# Altium PCB CarrierMotherboard.PcbDoc (part 1 of 6) (continued)
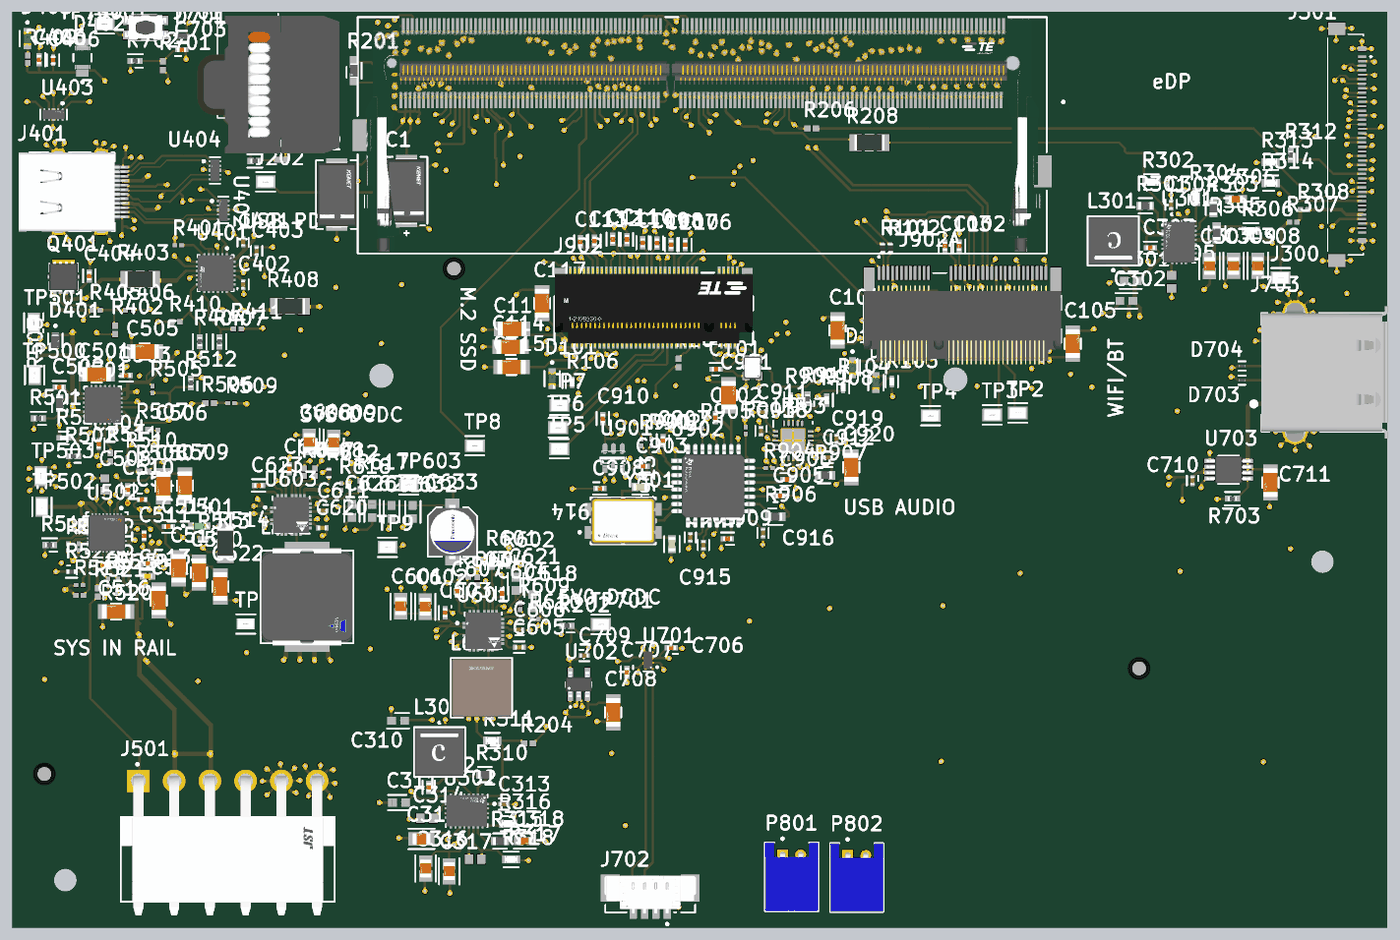
[diagram p13: 3D render of the assembled board from above, using the file's embedded part models]
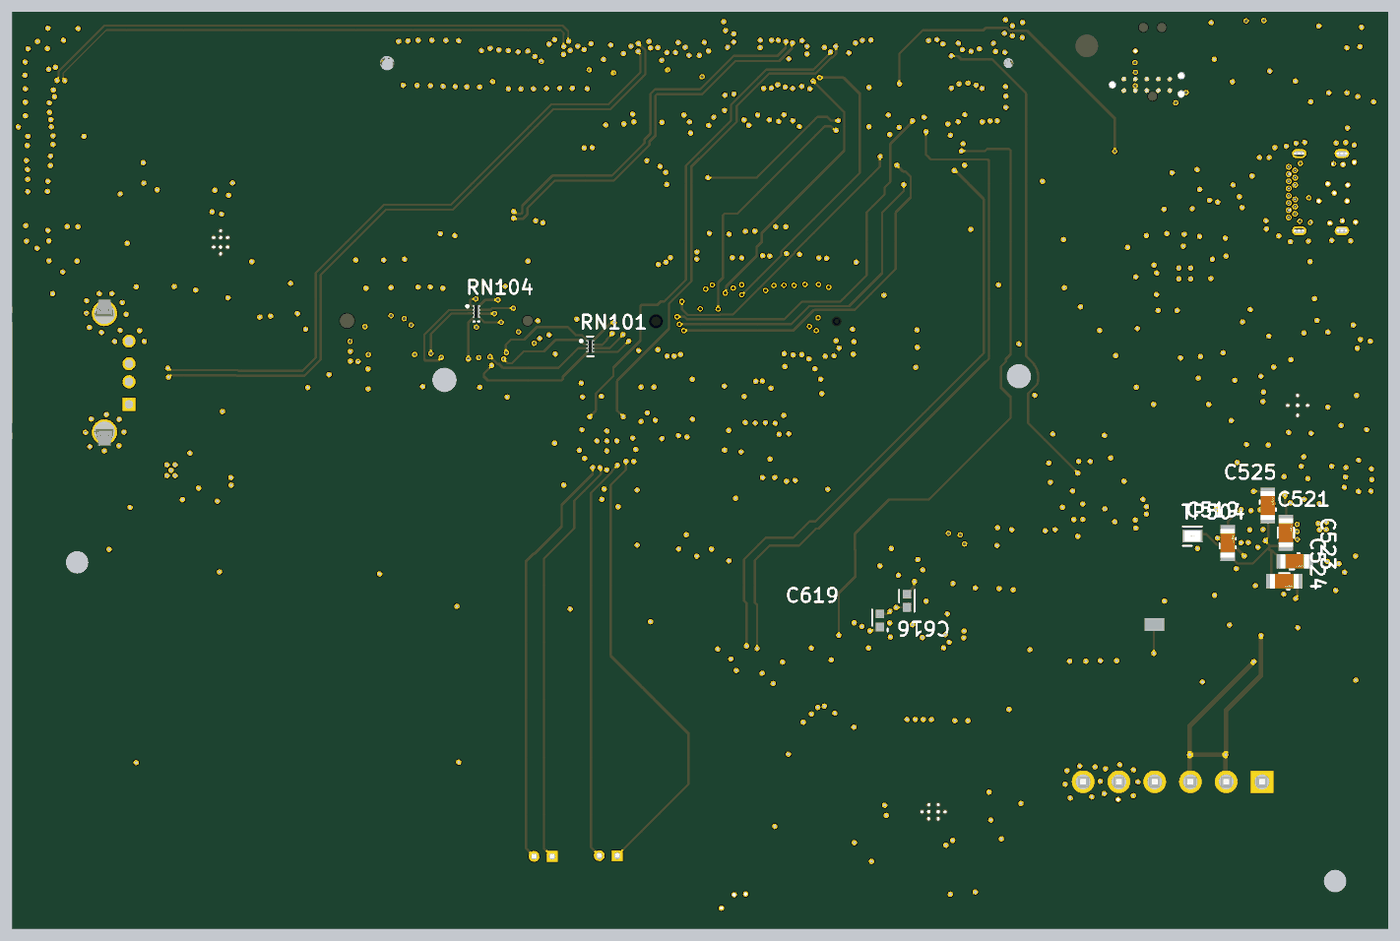
[diagram p14: 3D render of the assembled board from below, using the file's embedded part models]

## Layer stack, top to bottom
Top Solder: solder mask 0.0102, Solder Resist, Dk 3.5
L1-CU: signal copper 0.0175
PP 2116 RC58%: core 0.1195, FR-4 PP 2116 RC58%, Dk 4.45
GND: signal copper 0.035
CORE: core 0.23, Core-009, Dk 4.6
L3-CU-PWR: signal copper 0.035
PP 7628 RC46%: prepreg 0.175, FR-4 PP 7628 RC46%, Dk 4.74
L4-CU: signal copper 0.035
CORE2: core 0.23, Core-009, Dk 4.6
L5-CU-GND: signal copper 0.035
PP2 7628 RC46%: prepreg 0.175, FR-4 PP 7628 RC46%, Dk 4.74
L6-CU: signal copper 0.035
CORE3: core 0.23, Core-009, Dk 4.6
L7-CU-GND: signal copper 0.035
PP2 2116 RC58%: prepreg 0.1195, FR-4 PP 2116 RC58%, Dk 4.45
L8-CU: signal copper 0.0175
Bottom Solder: solder mask 0.0102, Solder Resist, Dk 3.5

## Board outline
25.4,25.4 177.8,25.4 177.8,127 25.4,127

## Design rules (kind name [scope] priority, off if disabled: settings)
Clearance "Stitching GND" [IsStitchingVia and InNet('GND') vs (IsVia and (Not IsStitchingVia)) Or IsPad] p1: gap=0.127 ignorepadtopadclearanceinfootprint=FALSE
Clearance [All] p2: gap=0.13 ignorepadtopadclearanceinfootprint=FALSE
ComponentClearance [All] p1: gap=0 collisioncheckmode=3 verticalgap=0 showdistances=FALSE
DiffPairsRouting DiffPairsRouting_1 [InDifferentialPairClass('PCIE')] p1: maxlimit=0.3 minlimit=0.254 mostfreqgap=0.3 toplayer_mingap=0.3 toplayer_minwidth=0.249 toplayer_maxwidth=0.249 toplayer_prefwidth=0.249 midlayer1_mingap=0.3 midlayer1_minwidth=0.167 midlayer1_maxwidth=0.167 midlayer1_prefwidth=0.167 midlayer2_mingap=0.3 midlayer2_minwidth=0.167 midlayer2_maxwidth=0.167 midlayer2_prefwidth=0.167 midlayer4_mingap=0.3 midlayer4_minwidth=0.167 midlayer4_maxwidth=0.167 midlayer4_prefwidth=0.167 bottomlayer_mingap=0.3 bottomlayer_minwidth=0.249 bottomlayer_maxwidth=0.249 bottomlayer_prefwidth=0.249 impedanceprofiledriven=TRUE impedanceprofileid={7D916DF6-123A-43E1-B644-0DB39090FD2C} impedanceprofilevalue=85.000000 maxuncoupledlength=12.7
DiffPairsRouting DiffPairsRouting_2 [InDifferentialPairClass('USB')] p2: maxlimit=0.3 minlimit=0.254 mostfreqgap=0.3 toplayer_mingap=0.3 toplayer_minwidth=0.249 toplayer_maxwidth=0.249 toplayer_prefwidth=0.249 midlayer1_mingap=0.3 midlayer1_minwidth=0.167 midlayer1_maxwidth=0.167 midlayer1_prefwidth=0.167 midlayer2_mingap=0.3 midlayer2_minwidth=0.167 midlayer2_maxwidth=0.167 midlayer2_prefwidth=0.167 midlayer4_mingap=0.3 midlayer4_minwidth=0.167 midlayer4_maxwidth=0.167 midlayer4_prefwidth=0.167 bottomlayer_mingap=0.3 bottomlayer_minwidth=0.249 bottomlayer_maxwidth=0.249 bottomlayer_prefwidth=0.249 impedanceprofiledriven=TRUE impedanceprofileid={E132E84A-B575-414F-AC1E-14452AE44C28} impedanceprofilevalue=90.000000 maxuncoupledlength=12.7
DiffPairsRouting [InDifferentialPairClass('eDP')] p3: maxlimit=0.3 minlimit=0.127 mostfreqgap=0.3 toplayer_mingap=0.3 toplayer_minwidth=0.206 toplayer_maxwidth=0.206 toplayer_prefwidth=0.206 midlayer1_mingap=0.3 midlayer1_minwidth=0.13 midlayer1_maxwidth=0.13 midlayer1_prefwidth=0.13 midlayer2_mingap=0.3 midlayer2_minwidth=0.13 midlayer2_maxwidth=0.13 midlayer2_prefwidth=0.13 midlayer4_mingap=0.3 midlayer4_minwidth=0.13 midlayer4_maxwidth=0.13 midlayer4_prefwidth=0.13 bottomlayer_minwidth=0.206 bottomlayer_maxwidth=0.206 bottomlayer_prefwidth=0.206 impedanceprofiledriven=TRUE impedanceprofileid={2CE41B01-3A3A-4D95-B01E-FB354DC266AF} impedanceprofilevalue=100.000000 maxuncoupledlength=12.7
HoleSize [All] p1: absolutevalues=TRUE maxlimit=3 minlimit=0.17 maxpercent=80.000 minpercent=20.000
HoleToHoleClearance [All] p1: gap=0.16 allowstackedmicrovias=TRUE
MinimumAnnularRing [All] p1: minimumring=0.1
MinimumSolderMaskSliver MinimumSolderMaskSliver_3 [InComponent('J301')] p1: minsoldermaskwidth=0
MinimumSolderMaskSliver MinimumSolderMaskSliver_1 [IsVia] p2: minsoldermaskwidth=-0.1
MinimumSolderMaskSliver [All] p3: minsoldermaskwidth=0.075
MinimumSolderMaskSliver MinimumSolderMaskSliver_2 [IsPad AND (HoleDiameter > 0)] p4: minsoldermaskwidth=0.01
PolygonConnect [All] p1: connectstyle=Relief reliefconductorwidth=0.254 reliefentries=4 polygonreliefangle="90 Angle" airgapwidth=0.254
RoutingVias [All] p1: holewidth=0.35 width=0.6 viastyle="Through Hole" minholewidth=0.3 minwidth=0.6 maxholewidth=0.711 maxwidth=1.27
ShortCircuit ShortCircuit_1 [All] p1: allowed=FALSE
ShortCircuit [InNet('SYS_IN1') vs InPadClass('All Pads')] p2: allowed=TRUE
SilkToSilkClearance SilkToSilkClearance_1 [All] p1: silktosilkclearance=0
SilkToSolderMaskClearance [IsPad] p1: minsilkscreentomaskgap=0 clearancetoexposedcopper=TRUE
SolderMaskExpansion [All] p1: expansion=0.102 istentingtop=FALSE
SupplyNets "Schematic Supply Nets_3" [InNet('SYS_IN')] p1: voltage=0.000
SupplyNets "Schematic Supply Nets_6" [InNet('5V_OUT')] p2: voltage=0.000
SupplyNets "Schematic Supply Nets_5" [InNet('3V3_VDRV')] p3: voltage=0.000
SupplyNets "Schematic Supply Nets_4" [InNet('3V3_M2')] p4: voltage=0.000
SupplyNets "Schematic Supply Nets_2" [InNet('+5')] p5: voltage=0.000
SupplyNets "Schematic Supply Nets_1" [InNet('1V8_LDO')] p6: voltage=0.000
SupplyNets "Schematic Supply Nets" [InNet('6V0_SW')] p7: voltage=0.000
Width Width_1 [InNetClass('eDP')] p1: maxlimit=0.218 minlimit=0.13 preferedwidth=0.13 toplayer_minwidth=0.206 toplayer_maxwidth=0.206 toplayer_prefwidth=0.206 midlayer1_maxwidth=0.13 midlayer2_maxwidth=0.13 midlayer4_maxwidth=0.13 bottomlayer_minwidth=0.218 bottomlayer_prefwidth=0.218 impedanceprofiledriven=TRUE impedanceprofileid={7FF194CA-6560-49CA-8BC5-E6589CD94D0C} impedanceprofilevalue=50.000000 minimp=50.000000 maximp=50.000000 favimp=50.000000
Width [InNetClass('USB')] p2: maxlimit=0.25 minlimit=0.167 preferedwidth=0.167 toplayer_minwidth=0.249 toplayer_maxwidth=0.249 toplayer_prefwidth=0.249 midlayer1_maxwidth=0.167 midlayer2_maxwidth=0.167 midlayer4_maxwidth=0.167 bottomlayer_minwidth=0.25 bottomlayer_prefwidth=0.25 impedanceprofiledriven=TRUE impedanceprofileid={44F2A446-9D66-40E8-AE00-ED9A340D8BD4} impedanceprofilevalue=45.000000 minimp=50.000000 maximp=50.000000 favimp=50.000000
22 further rules are at their usual default settings.

## Classes and differential pairs
net class PCIE: C_PCIE0_RX0_N C_PCIE0_RX0_P C_PCIE0_RX1_N C_PCIE0_RX1_P C_PCIE0_RX2_N C_PCIE0_RX2_P C_PCIE0_TX0_N C_PCIE0_TX0_P C_PCIE0_TX1_N C_PCIE0_TX1_P C_PCIE0_TX2_N C_PCIE0_TX2_P C_PCIE0_TX3_N C_PCIE0_TX3_P NetC102_1 NetC110_2 NetC111_2 NetC112_2 NetC113_2 PCIE0_CLK_N PCIE0_CLK_P PCIE0_RX3_N PCIE0_RX3_P PCIE1_CLK_N PCIE1_CLK_P PCIE1_RX0_N PCIE1_RX0_P PCIE1_TX0_N PCIE1_TX0_P
net class eDP: NetJ15A_63 NetJ15A_65 NetJ15A_69 NetJ15A_71 NetJ15A_75 NetJ15A_77 NetJ15A_81 NetJ15A_83 NetJ15A_98 NetJ15A_100
differential pair class USB: USB_AUDIO USB_AUDIO_B USB_PCIE USB_PCIE_B USB_TOUCHPAD USB_TOUCHPAD_B USBTOUCHPAD_2
differential pair class eDP: DP1_TX0 DP1_TX1 DP1_TX2 DP1_TX3 eDP_AUX
differential pair class PCIE: PCIE0_CLK PCIE0_RX0 PCIE0_RX1 PCIE0_RX2 PCIE0_RX3 PCIE0_TX0 PCIE0_TX0_B PCIE0_TX1 PCIE0_TX2 PCIE0_TX3 PCIE1_RX0 PCIE1_TX0 PCIE1_TX0_B PCIE_CLK PCIE_TX2_B PCIE_TX3 PCIE_TX3_B USB_PCIE
net class USB: NetD703_1 NetD704_1 NetJ15A_115 NetJ15A_117 NetR900_2 NetR902_2 USB_D_N USB_D_P
component class SoM: Y902
component class Power_Delivery: Y902
component class Peripherals: Y902
component class PCIE: 3 Y902
component class eDP: Y902
component class DCDC: Y902
component class Battery: Y902
component class Audio: C905 C908 C911 R900 R902 R903 R904 U901 Y902
differential pair USB_TOUCHPAD_B: +USB2_1_D+ -USB2_1_D-
differential pair PCIE1_TX0_B: +NetC103_2 -PCIE1_TX0_N
differential pair USB_PCIE_B: +USB_E_P -USB_E_N
differential pair USB_AUDIO_B: +NetR900_2 -NetR902_2
differential pair PCIE0_TX0_B: +NetC106_2 -NetC107_2
differential pair PCIE_TX3_B: +NetC112_2 -NetC113_2
differential pair PCIE_TX2_B: +NetC110_2 -NetC111_2
differential pair DP1_TX3: +NetJ15A_83 -NetJ15A_81
differential pair DP1_TX1: +NetJ15A_69 -NetJ15A_71
differential pair DP1_TX2: +NetJ15A_77 -NetJ15A_75
differential pair DP1_TX0: +NetJ15A_65 -NetJ15A_63
differential pair eDP_AUX: +NetJ15A_100 -NetJ15A_98
differential pair PCIE0_CLK: +PCIE0_CLK_P -PCIE0_CLK_N
differential pair PCIE0_TX2: +C_PCIE0_TX2_P -C_PCIE0_TX2_N
differential pair PCIE_CLK: +PCIE1_CLK_P -PCIE1_CLK_N
differential pair USB_PCIE: +NetJ15A_117 -NetJ15A_115
differential pair PCIE0_RX0: +C_PCIE0_RX0_P -C_PCIE0_RX0_N
differential pair PCIE0_RX1: +C_PCIE0_RX1_P -C_PCIE0_RX1_N
differential pair PCIE0_TX1: +C_PCIE0_TX1_P -C_PCIE0_TX1_N
differential pair PCIE0_TX0: +C_PCIE0_TX0_P -C_PCIE0_TX0_N
differential pair PCIE1_TX0: +PCIE1_TX0_P -NetC102_1
differential pair PCIE0_TX3: +C_PCIE0_TX3_P -C_PCIE0_TX3_N
differential pair PCIE_TX3: +C_PCIE0_TX3_P -C_PCIE0_TX3_N
differential pair PCIE0_RX2: +C_PCIE0_RX2_P -C_PCIE0_RX2_N
differential pair PCIE0_RX3: +PCIE0_RX3_P -PCIE0_RX3_N
differential pair PCIE1_RX0: +PCIE1_RX0_P -PCIE1_RX0_N
differential pair USBTOUCHPAD_2: +NetD704_1 -NetD703_1
differential pair USB_TOUCHPAD: +NetD704_1 -NetD703_1
differential pair USB_AUDIO: +USB_D_P -USB_D_N

## Components (designator, comment, footprint, x,y, rotation, side; value= is the part's Value field where it differs from the comment)
C1 "100uF" FP-T521D107M025ATE040-MFG 69.113,107.086 r270 top
C2 "100uF" FP-T521D107M025ATE040-MFG 61.392,106.705 r270 top
C101 "100nF" FP-GRM155-0_05-IPC_B 103.416,87.35 r0 top
C102 "220n" FP-C1005-050-0_05-IPC_B 130.35,100.995 r270 top
C103 "220n" FP-C1005-050-0_05-IPC_B 128.769,100.995 r270 top
C104 "10μF" FP-GRM31C-0_2-e0_3_0_8-MFG 116.874,91.66 r90 top
C105 "10μF" FP-GRM31C-0_2-e0_3_0_8-MFG 142.933,90.173 r90 top
C106 "220n" FP-C1005-050-0_05-IPC_B 99.991,101.168 r270 top
C107 "220n" FP-C1005-050-0_05-IPC_B 98.418,101.168 r270 top
C108 "220n" FP-C1005-050-0_05-IPC_B 96.846,101.33 r270 top
C109 "220n" FP-C1005-050-0_05-IPC_B 95.274,101.362 r270 top
C110 "220n" FP-C1005-050-0_05-IPC_B 93.523,101.727 r270 top
C111 "220n" FP-C1005-050-0_05-IPC_B 91.95,101.754 r270 top
C112 "220n" FP-C1005-050-0_05-IPC_B 89.941,101.546 r270 top
C113 "220n" FP-C1005-050-0_05-IPC_B 88.369,101.474 r270 top
C114 "10μF" FP-GRM31C-0_2-e0_3_0_8-MFG 80.635,89.821 r180 top
C115 "10μF" FP-GRM31C-0_2-e0_3_0_8-MFG 80.745,87.605 r180 top
C116 "10μF" FP-GRM31C-0_2-e0_3_0_8-MFG 80.796,91.821 r180 top
C117 "10μF" FP-GRM31C-0_2-e0_3_0_8-MFG 84.125,94.668 r90 top
C301 "22u" FP-CL10-IPC_B 149.367,97.115 r180 top
C302 "22u" FP-CL10-IPC_B 148.869,94.92 r180 top
C303 "0.1 µF" FP-GRM155-0_05-IPC_B 151.536,100.813 r0 top
C304 "1µF" FP-GRM15-0_1-MFG 153.823,105.573 r90 top value=1uF
C305 "22nf" CAPC1608X90X35ML10T15 153.885,97.028 r90 top
C306 "3.9n" FP-GRM188-0_1-e0_2_0_5-IPC_B 161.022,106.198 r0 top
C307 "22u 25v" FP-GRM21B-0_2-e0_2_0_7-IPC_B 158.09,98.789 r270 top
C308 "22u 25v" FP-GRM21B-0_2-e0_2_0_7-IPC_B 163.435,98.812 r270 top
C309 "22u 25v" FP-GRM21B-0_2-e0_2_0_7-IPC_B 160.757,98.806 r270 top
C310 "" FP-CL10-IPC_B 68.175,48.37 r180 top
C311 "" FP-CL10-IPC_B 68.275,39.294 r180 top
C312 "0.1u" FP-GRM155-0_05-IPC_B 71.574,40.985 r270 top
C313 "" FP-GRM15-0_1-MFG 79.897,39.124 r0 top value=1uF
C314 "22n" CAPC1608X90X35ML10T15 71.352,37.566 r0 top
C315 "22u 25v" FP-GRM21B-0_2-e0_2_0_7-IPC_B 70.764,35.281 r180 top
C316 "22u 25v" FP-GRM21B-0_2-e0_2_0_7-IPC_B 71.222,31.991 r270 top
C317 "22u 25v" FP-GRM21B-0_2-e0_2_0_7-IPC_B 73.835,31.682 r270 top
C318 "" FP-GRM188-0_1-e0_2_0_5-IPC_B 82.21,35.052 r0 top
C401 "1µF" FP-GRM15-0_1-MFG 51,101.48 r90 top value=1uF
C402 "1µF" FP-GRM15-0_1-MFG 51,96.737 r270 top value=1uF
C403 "1µF" FP-GRM15-0_1-MFG 52.502,100.463 r90 top value=1uF
C404 "100nF" FP-GRM155-0_05-IPC_B 33.96,97.692 r90 top
C405 "100n" FP-GRM155-0_05-IPC_B 28.389,121.664 r90 top
C406 "1u" FP-GRM155-0_1-IPC_C 29.95,121.613 r90 top
C501 "10μF" FP-GRM31C-0_2-e0_3_0_8-MFG 34.773,86.79 r0 top
C502 "0.1 µF" FP-GRM155-0_05-IPC_B 30.642,85.361 r180 top
C503 "0.1 µF" FP-GRM155-0_05-IPC_B 38.049,86.665 r180 top
C504 "100nF" FP-GRM155-0_05-IPC_C 34.975,79.056 r270 top
C505 "10μF" FP-GRM31C-0_2-e0_3_0_8-MFG 40.107,89.306 r180 top
C506 "4.7nF" CAPC1005X55X25LL05T10 41.554,80.179 r90 top
C507 "10μF" FP-GRM31C-0_2-e0_3_0_8-MFG 42.164,74.369 r270 top
C508 "4.7µF" CAPC1608X90X35NL10T15 35.662,74.574 r270 top
C509 "10μF" FP-GRM31C-0_2-e0_3_0_8-MFG 44.552,74.446 r270 top
C510 "0.1 µF" FP-GRM155-0_05-IPC_B 38.214,73.981 r270 top
C511 "47nF" FP-GRM155-0_05-MFG 40.03,68.891 r270 top
C512 "47nF" FP-GRM155-0_05-MFG 39.8,72.9 r0 top
C513 "1nF" CAPC1005X55X25ML5T10 40.411,64.4 r180 top
C514 "0.1 µF" FP-GRM155-0_05-IPC_B 42.751,69.901 r0 top
C515 "0.1 µF" FP-GRM155-0_05-IPC_B 40.462,65.786 r0 top
C516 "10μF" FP-GRM31C-0_2-e0_3_0_8-MFG 36.932,60.477 r180 top
C517 "10μF" FP-GRM31C-0_2-e0_3_0_8-MFG 41.653,61.7 r270 top
C518 "10μF" FP-GRM31C-0_2-e0_3_0_8-MFG 43.857,65.271 r270 top
C519 "10μF" FP-GRM31C-0_2-e0_3_0_8-MFG 43.2,68.125 r90 bottom
C520 "10μF" FP-GRM31C-0_2-e0_3_0_8-MFG 46.101,64.794 r270 top
C521 "10μF" FP-GRM31C-0_2-e0_3_0_8-MFG 36.754,69.291 r90 bottom
C522 "10μF" FP-GRM31C-0_2-e0_3_0_8-MFG 48.479,63.247 r270 top
C523 "10μF" FP-GRM31C-0_2-e0_3_0_8-MFG 35.789,66.116 r180 bottom
C524 "10μF" FP-GRM31C-0_2-e0_3_0_8-MFG 36.925,63.9 r180 bottom
C525 "10μF" FP-GRM31C-0_2-e0_3_0_8-MFG 38.76,72.288 r90 bottom
C601 "22u 25v" FP-GRM21B-0_2-e0_2_0_7-IPC_B 68.469,61.075 r90 top
C602 "22u 25v" FP-GRM21B-0_2-e0_2_0_7-IPC_B 71.179,61.014 r90 top
C603 "100nF" FP-GRM155-0_05-IPC_B 73.381,60.35 r90 top
C604 "100nF" FP-GRM155-0_05-IPC_B 79.705,62.487 r90 top
C605 "4u7" FP-GRM155-0_2-MFG 81.61,56.515 r0 top
C606 "1µF" FP-GRM15-0_1-MFG 81.559,58.471 r0 top value=1uF
C607 "100nF" FP-GRM155-0_05-IPC_B 74.7,62.729 r270 top
C608 "22u 25v" FP-GRM21B-0_2-e0_2_0_7-IPC_B 58.328,79.275 r90 top
C609 "22u 25v" FP-GRM21B-0_2-e0_2_0_7-IPC_B 61.039,79.216 r90 top
C610 "100nF" FP-GRM155-0_05-IPC_B 56.126,76.314 r90 top
C611 "1µF" FP-GRM15-0_1-MFG 59.866,71.673 r0 top value=1uF
C616 "22u" FP-CL10-IPC_B 78.715,61.747 r90 bottom
C618 "22u" FP-CL10-IPC_B 83.056,61.64 r270 top
C619 "22u" FP-CL10-IPC_B 81.7,59.559 r270 bottom
C620 "4u7" FP-GRM155-0_2-MFG 59.784,69.748 r0 top
C621 "22u" FP-CL10-IPC_B 81.204,63.551 r90 top
C623 "100nF" FP-GRM155-0_05-IPC_B 52.72,74.461 r180 top
C626 "22u" FP-CL10-IPC_B 63.056,71.64 r270 top
C628 "22u" FP-CL10-IPC_B 65.292,71.64 r270 top
C630 "22u" FP-CL10-IPC_B 67.458,71.524 r270 top
C632 "22u" FP-CL10-IPC_B 69.8,71.527 r270 top
C633 "100u" FP-OS-CON-SMT-B6-MFG 74.2,69.3 r90 top
C703 "0.1 µF" FP-GRM155-0_05-IPC_B 44.195,122.771 r0 top
C706 "100nF" FP-GRM155-0_05-IPC_B 98.447,56.464 r180 top
C707 "100nF" FP-GRM155-0_05-IPC_B 93.523,53.743 r90 top
C708 "10μF" FP-GRM31C-0_2-e0_3_0_8-MFG 92,49.3 r270 top
C709 "1µF" FP-GRM15-0_1-MFG 88.8,55.6 r0 top value=1uF
C710 "1µF" FP-GRM15-0_1-MFG 156.2,75 r270 top value=1uF
C711 "10μF" FP-GRM31C-0_2-e0_3_0_8-MFG 164.846,74.779 r270 top
C901 "10μF" FP-GRM31C-0_2-e0_3_0_8-MFG 104.797,84.463 r90 top
C902 "0.1 µF" FP-GRM155-0_05-IPC_B 103.345,81.98 r90 top
C903 "0.1 µF" FP-GRM155-0_05-IPC_B 95.323,76.581 r180 top
C904 "1µF" FP-GRM15-0_1-MFG 100.556,68.695 r270 top value=1uF
C905 "0.1 µF" FP-GRM155-0_05-IPC_B 110.506,73.307 r0 top
C906 "0.1 µF" FP-GRM155-0_05-IPC_B 111.274,75.133 r0 top
C907 "0.1 µF" FP-GRM155-0_05-IPC_B 97.528,79.416 r90 top
C908 "0.1 µF" FP-GRM155-0_05-IPC_B 90.527,74.122 r180 top
C909 "0.1 µF" FP-GRM155-0_05-IPC_B 104.677,68.555 r180 top
C910 "0.1 µF" FP-GRM155-0_05-IPC_B 90.856,81.886 r90 top
C911 "1µF" FP-GRM15-0_1-MFG 108.553,82.601 r0 top value=1uF
C912 "1µF" FP-GRM15-0_1-MFG 115.812,77.569 r180 top value=1uF
C913 "" FP-C0603C-CF-MFG#1 98.516,67.951 r90 top
C914 "" FP-C0603C-CF-MFG#2 95.015,74.286 r180 top
C915 "" FP-GRM15-0_1-MFG 102.006,67.842 r270 top
C916 "" FP-GRM15-0_1-MFG 108.61,69.191 r270 top
C918 "1µF" FP-GRM15-0_1-MFG 108.382,80.499 r90 top value=1uF
C919 "1µF" FP-GRM15-0_1-MFG 116.764,79.629 r270 top locked value=1uF
C920 "10μF" FP-GRM31C-0_2-e0_3_0_8-MFG 118.381,76.475 r270 top
D101 "Green" FP-LTST-C190GKT-MFG 85.242,86.297 r270 top
D102 "Green" FP-LTST-C190GKT-MFG 118.523,87.51 r270 top
D103 "Green" FP-LTST-C190GKT-MFG 121.13,85.859 r270 top
D401 "ESDA25P35-1U1M" FP-QFN_1610-MFG 30.2,90.5 r270 top
D402 "SMF24A" FP-SMF24A-MFG 33.2,121.9 r90 top
D403 "Green LED" FP-LTST-C190GKT-MFG 27.1,124 r270 top
D501 "LED_GREEN" FP-SML-D12-MFG 46.162,69.968 r0 top
D701 "TPD1E0B04DPYR" FP-DPY0002A-MFG 44.255,124.257 r0 top
D703 "TPD1E0B04DPLR" FP-DPL0002A-MFG 161.682,86.119 r0 top
D704 "TPD1E0B04DPLR" FP-DPL0002A-MFG 161.682,87.714 r0 top
J15 "SODIMM" FP-2309413-1-MFG 101.875,113.288 r0 top
J202 "S2751-46R1" FP-S2751-46R-MFG#1 53.492,108.128 r0 top
J300 "TP_10V_OUT" FP-S2751-46R-MFG#1 165.964,97.485 r180 top
J301 "20455-040E-76" IPEX_20455-040E-76 173.08,112.25 r270 top
J401 "632723300011" 632723300011 31.75,107 r270 top
J501 "B6PS-VH (LF)(SN)" FP-B6PS-VH_LF_SN-MFG 49.3,33 r0 top
J701 "TC2050-IDC-NL" TAG-CONNECT_TC2050-IDC-NL 52.149,118.892 r180 top
J702 "533980471" FP-533980471-MFG 96.114,29.083 r0 top
J703 "292303-1" TE-292303-1_V 166,87 r90 top
J902 "1-2199230-6" FP-1-2199230-6-MFG 96.503,94.071 r0 top
J902A "" TE_21992304 130.708,92.759 r0 top locked
L301 "2.2u" FP-XAL5030-222MEC-MFG 147.416,101.571 r90 top
L302 "" FP-XAL5030-222MEC-MFG 72.771,44.911 r270 top
L601 "1u/20a" FP-SRP6050CA-MFG 77.412,52.021 r0 top value=1uH
L603 "0.56µH/27.5A" FP-IHLP-4040DZ-FP_3_175x4-MFG 58.09,62.103 r270 top
P801 "S2B-PH-K-S(LF)(SN)" JST-S2B-PH-K-S_V 111.785,31.064 r0 top
P802 "S2B-PH-K-S(LF)(SN)" JST-S2B-PH-K-S_V 118.999,30.988 r0 top
Q401 "STL6P3LLH6" TRANS_STL6P3LLH6 31.1,97.6 r90 top
R101 "0R" RESC1005X40X25LL05T05 121.859,100.759 r270 top
R102 "0R" RESC1005X40X25LL05T05 122.72,100.759 r270 top
R104 "200R" FP-CR0402-IPC_C 117.487,85.324 r270 top
R105 "200R" FP-CR0402-IPC_C 122.885,85.977 r270 top
R106 "200" FP-CR0402-IPC_C 87.452,85.903 r270 top
R201 "22.4A" FP-HCJ0603-MFG 63.297,120.447 r270 top
R202 "100k" FP-RC0402-0_4-IPC_A 86.879,58.9 r0 top
R203 "100" RESC1005X40X25ML05T10#1 55.263,110.592 r180 top
R204 "100" RESC1005X40X25ML05T10#1 82.626,45.847 r180 top
R205 "100k" FP-RC0402-0_4-IPC_A 52.3,110.436 r180 top
R206 "100" RESC1005X40X25ML05T10#1 113.995,114.046 r180 top
R207 "47k" RESC1005X40X25ML05T10#2 99.238,88.044 r270 top
R208 "1k" RESC3216X60X45ML15T20 120.397,112.471 r0 top
R301 "301k" FP-CRCW0603-e3-IPC_C 150.983,105.461 r0 top
R302 "100k" FP-CRCW0603C-e3-MFG 151.638,108.102 r180 top
R303 "18.2k" FP-CRCW0603-e3-IPC_C 158.516,105.189 r90 top
R304 "100k" FP-CRCW0603C-e3-MFG 156.616,106.451 r270 top
R305 "732k" FP-CRCW0603-e3-IPC_B 158.894,102.467 r90 top
R306 "100k" FP-CRCW0603C-e3-MFG 162.662,102.692 r0 top
R307 "0" RESC1005X40X25NL05T10#1 167.361,103.657 r0 top
R308 "0" RESC1005X40X25NL05T10#1 168.555,105.041 r0 top
R310 "301k" FP-CRCW0603-e3-IPC_C 77.8,42.393 r180 top
R311 "" FP-CRCW0603C-e3-MFG 78.613,46.177 r180 top
R312 "100k" FP-RC0402-0_4-IPC_A 167.081,111.078 r90 top
R313 "100k" FP-CRCW0603C-e3-MFG 164.863,110.307 r0 top
R314 "100k" FP-CRCW0603C-e3-MFG 164.871,107.975 r0 top
R315 "" FP-CRCW0603-e3-IPC_C 79.471,35.026 r180 top
R316 "" FP-CRCW0603C-e3-MFG 80.369,36.958 r0 top
R317 "" RESC1609X50X30ML10T20 76.713,33.026 r0 top
R318 "" FP-CRCW0603C-e3-MFG 80.696,32.995 r0 top
R401 "10k" RESC1005X40X25LL05T10#1 43.8,101.1 r0 top
R402 "100" RESC1005X40X25ML05T10#1 36.8,91.7 r90 top
R403 "1k" RESC3216X60X45ML15T20 39.599,97.307 r180 top
R404 "100k" FP-RC0402-0_4-IPC_A 46.2,90.4 r270 top
R405 "100k" RESC1005X40X25NL05T10#2 34.725,93.9 r180 top
R406 "22k" RESC1005X40X25NL05T05 38.4,93.9 r180 top
R407 "100k" FP-RC0402-0_4-IPC_A 48.385,90.39 r270 top
R408 "1k" RESC3216X60X45ML15T20 56.2,94.3 r0 top
R409 "4k7" RESC1005X40X25NL10T10 27.153,121.724 r270 top
R410 "22k" RESC1005X40X25NL05T10#2 43.561,92.608 r180 top
R411 "22k" RESC1005X40X25NL05T10#2 50.375,91.8 r0 top
R501 "100k" FP-RC0402-0_4-IPC_A 28.321,81.9 r0 top
R502 "100k" FP-RC0402-0_4-IPC_A 32.195,77.71 r0 top
R503 "274k" FP-AC0603-IPC_C 30.664,83.586 r90 top
R504 "1.8m" FP-CRCW0402-e3-MFG 31.14,79.731 r180 top
R505 "289k" RESC1005X40X25LL05T10#1 40.97,85.09 r90 top
R506 "100" RESC1005X40X25ML05T10#1 47.3,83.6 r0 top
R507 "100" RESC1005X40X25ML05T10#1 40.038,80.62 r180 top
R508 "100" RESC1005X40X25ML05T10#1 40,76 r180 top
R509 "10k" RESC1005X40X25LL05T10#1 49.675,83.6 r0 top
R510 "10k" RESC1005X40X25LL05T10#1 38.2,77.2 r90 top
R511 "3.57k" RESC1005X40X25ML05T10#1 36.3,77.6 r90 top
R512 "100k" FP-RC0402-0_4-IPC_A 45.2,85.821 r90 top
R513 "10k" RESC1005X40X25LL05T10#2 46.583,68.596 r180 top
R514 "1k" RESC3216X60X45ML15T20 49.037,68.047 r270 top
R515 "100k" FP-RC0402-0_4-IPC_A 29.561,67.86 r180 top
R516 "10k" RESC1005X40X25LL05T10#3 32.8,67.625 r90 top
R517 "10k" RESC1005X40X25LL05T10#3 31.6,67.625 r90 top
R518 "10k" RESC1005X40X25LL05T10#3 37.155,63.726 r90 top
R519 "10k" RESC1005X40X25LL05T10#3 32.875,63.4 r0 top
R520 "0" RESC1005X40X25NL05T10#3 32.885,62.296 r180 top
R521 "100" RESC1005X40X25ML05T10#3 34.897,62.597 r270 top
R522 "10k" FP-NCP15-NCU15-0_05-IPC_C 31.979,64.9 r180 top
R523 "27k" RESC1005X40X25LL05T10#3 36.068,63.729 r270 top
R601 "20k" FP-CR0402-IPC_A 78.562,65.964 r90 top
R602 "2k7" FP-CR0402-IPC_B 80.376,65.977 r270 top
R603 "499k" RESC1005X40X25NL10T10 75.545,64.3 r0 top
R604 "499k" RESC1005X40X25NL10T10 76.941,63.85 r270 top
R607 "499k" RESC1005X40X25NL10T10 57.8,75.925 r270 top
R608 "499k" RESC1005X40X25NL10T10 58.954,75.925 r270 top
R609 "73k2" RESC1005X40X25LL10T10 81.7,61.075 r90 top
R610 "10k" RESC1005X40X25LL05T10#1 83.329,59.658 r180 top
R612 "0r" RESC1005X40X25LL05T05 60.5,75.8 r270 top
R617 "45k3" RESC1005X40X25ML05T10#3 64,74.5 r90 top
R618 "10k" RESC1005X40X25LL05T10#3 61.9,74.3 r270 top
R701 "100" RESC1005X40X25ML05T10#1 42.113,121.006 r90 top
R702 "100k" FP-RC0402-0_4-IPC_A 39.036,121.525 r180 top
R703 "100k" FP-RC0402-0_4-IPC_A 160.621,73 r0 top
R900 "27" RESC1005X40X25LL05T10#1 95.143,79.216 r270 top
R902 "27" RESC1005X40X25LL05T10#1 96.215,79.229 r270 top
R903 "10k" RESC1005X40X25LL05T10#1 106.68,80.569 r270 top
R904 "10k" RESC1005X40X25LL05T10#1 109.295,76.392 r180 top
R905 "10k" RESC1005X40X25LL05T10#1 101.905,80.391 r270 top
R906 "50" FP-CRCW0603-e3-MFG 109.97,70.993 r0 top
R907 "50" FP-CRCW0603-e3-MFG 115.494,75.59 r0 top